# Altium PCB praxis_top_level_pcbdoc_v3.PcbDoc (part 4 of 4)
Units mm, origin at the board's own origin, x right, y up, seen from the top; angles counter-clockwise.
Board outline 152.4 x 79.5 mm, 4 copper layers (Top Layer, Int1 (GND), Int2 (PWR), Bottom Layer), stack 1.584 mm thick; 306 components, 267 nets, 1032 pads, 529 vias.
Unrouted connection lines stored in the file: 1.
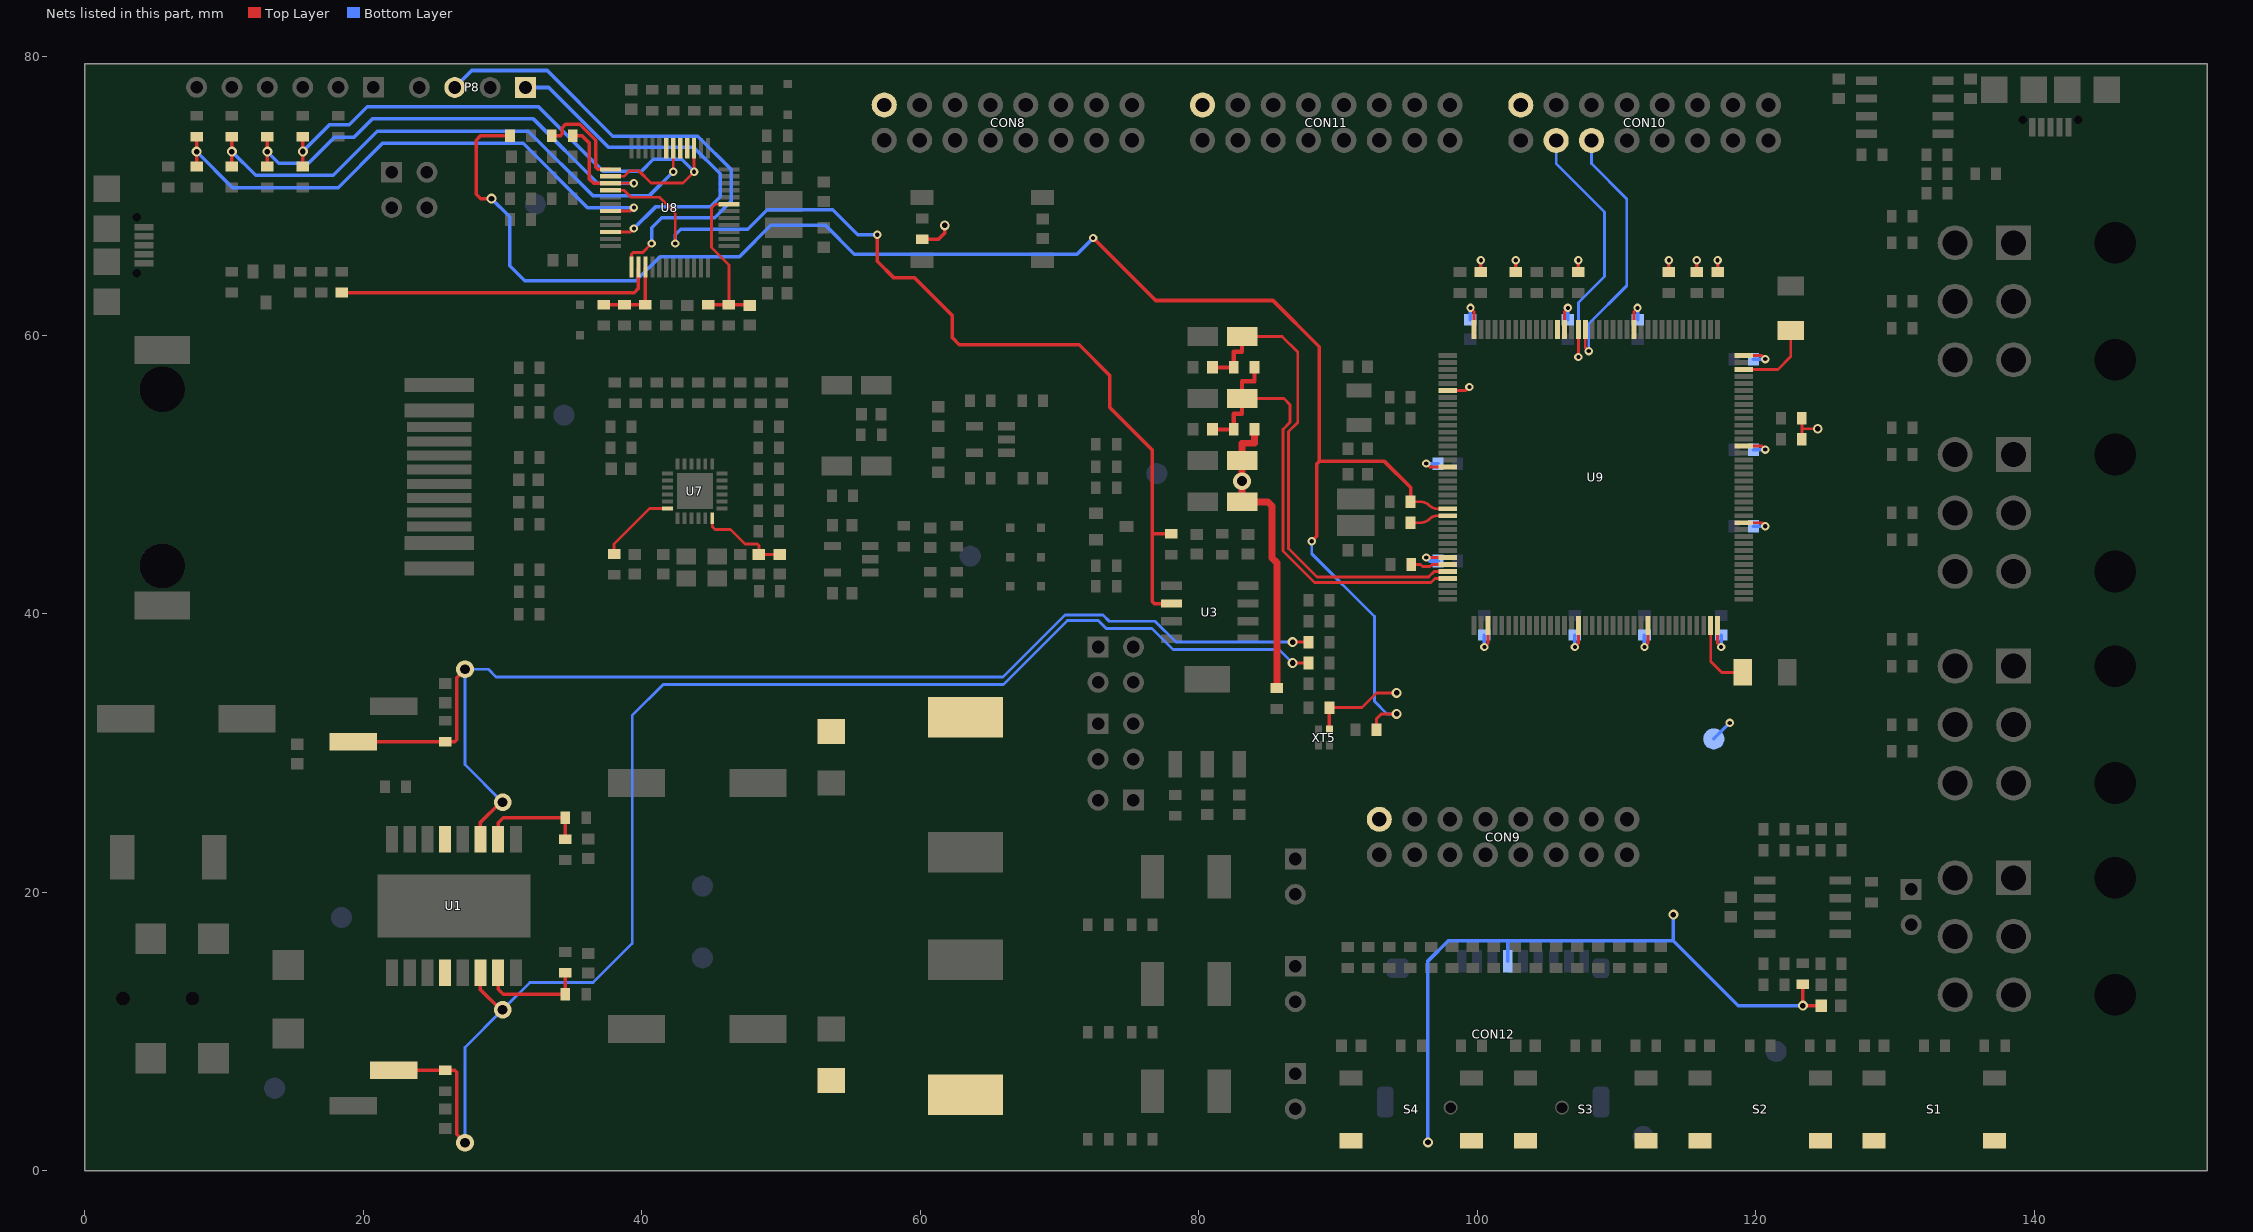
[diagram p6: the nets of this part, all layers, seen from the top]

## Via types
v1: diameter 0.711, hole 0.4, Top Layer to Bottom Layer, 169 vias
v2: diameter 0.6, hole 0.3, Top Layer to Bottom Layer, 83 vias
v3: diameter 1.27, hole 0.711, Top Layer to Bottom Layer, 68 vias
v4: diameter 0.6, hole 0.3, Top Layer to Bottom Layer, tented both sides, 50 vias
v5: diameter 1.27, hole 0.711, Top Layer to Bottom Layer, tented top, 43 vias
v6: diameter 0.9, hole 0.45, Top Layer to Bottom Layer, 39 vias
v7: diameter 0.4, hole 0.3, Top Layer to Bottom Layer, 32 vias
v8: diameter 0.6, hole 0.3, Top Layer to Bottom Layer, tented top, 17 vias
v9: diameter 0.711, hole 0.4, Top Layer to Bottom Layer, tented top, 8 vias
v10: diameter 0.711, hole 0.4, Top Layer to Bottom Layer, tented both sides, 6 vias
v11: diameter 0.5, hole 0.2, Top Layer to Bottom Layer, tented both sides, 4 vias
v12: diameter 0.5, hole 0.2, Top Layer to Bottom Layer, 4 vias
v13: diameter 5, hole 3, Top Layer to Bottom Layer, 4 vias
v14: diameter 0.711, hole 0.4, Top Layer to Bottom Layer, tented bottom, 1 vias
v15: diameter 0.9, hole 0.45, Top Layer to Bottom Layer, tented both sides, 1 vias

## Nets (pads, with @x,y where several pads share a name; then routed paths per layer and width w, separated by ;. In a path a pad name is that pad's centre, name@x,y a point inside that pad or via, vN(x,y) a via of type N, cw(c..) or ccw(c..) an arc to the next point about the centre after c; other vN are vias at no path point) (continued)
Port_G13: CON10.11 U9.128 | length 19
  Top Layer w0.2: U9.128@107.75,60.4 107.75,59.1 v4(108,58.85)
  Bottom Layer w0.2: v4(108,58.85) 108,60.819 110.725,63.544 110.725,69.778 108.195,72.308 CON10.11@108.195,73.975
Port_G14: CON10.10 U9.129 | length 19.7
  Top Layer w0.2: v4(107.25,58.425) U9.129@107.25,60.4
  Bottom Layer w0.2: CON10.10@105.655,73.975 105.655,72.308 109.125,68.838 109.125,64.206 107.25,62.331 v4(107.25,58.425)
Port_G15: U9.132
Port_H0: J22.2 J37.2 R88.2 U9.23 | length 120.9
  Top Layer w0.2: R88.2@92.75,31.65 92.75,32.45 93.092,32.792 v1(94.2,32.792) ; J37.2@95.2,48.025 95.911,48.025 cw(c95.911,47.086) 96.575,47.75 ccw(c97.118,48.293) 97.118,47.525 U9.23@97.875,47.525
  Top Layer w0.254: v1(29.199,69.8) 28.425,69.8 28.1,70.125 28.1,74 28.4,74.3 J22.2@30.528,74.3 ; v2(72.4,66.975) 76.892,62.482 85.318,62.482 88.65,59.15 88.65,50.925 ; v2(88.1,45.194) 88.47,45.565 88.47,50.745 88.65,50.925 ; J37.2@95.2,48.025 95.2,49.05 93.325,50.925 88.65,50.925
  Bottom Layer w0.2: v2(88.1,45.194) 88.1,44.3 92.6,39.8 92.6,33.7 93.508,32.792 v1(94.2,32.792)
  Bottom Layer w0.254: v1(29.199,69.8) 30.5,68.499 30.5,64.979 31.585,63.894 39.569,63.894 41.304,65.629 47.004,65.629 49.254,67.879 53.189,67.879 55.252,65.816 71.241,65.816 v2(72.4,66.975)
Port_H1: J39.2 U9.24 | length 2.8
  Top Layer w0.2: J39.2@95.2,46.525 95.911,46.525 ccw(c95.911,47.464) 96.575,46.8 cw(c97.118,46.257) 97.118,47.025 U9.24@97.875,47.025
PWR_ENn: R7.2 U3.2 U8.28 | length 67.4
  Top Layer w0.2: U8.28@37.733,70.4 38.725,70.4 39.225,69.9 41.25,69.9 42.4,68.75 v8(42.4,66.576)
  Top Layer w0.254: v2(56.9,67.2) 56.9,65.3 58.1,64.1 59.6,64.1 62.3,61.4 62.3,59.8 62.8,59.3 71.4,59.3 73.6,57.1 73.6,54.8 76.65,51.75 76.65,45.723 ; U3.2@78.019,40.72 76.799,40.72 76.65,40.869 76.65,45.723 ; R7.2@78.019,45.723 76.65,45.723
  Bottom Layer w0.254: v8(42.4,66.576) 42.4,67.2 42.8,67.6 47.6,67.6 49,69 53.7,69 55.5,67.2 v2(56.9,67.2)
PWR_EXT: J15.1 R56.1 R58.2 U8.39 | length 5.7
  Top Layer w0.254: R56.1@37.25,62.183 R58.2@38.75,62.183 J15.1@40.25,62.183 U8.39@40.25,64.883
RBIAS: R46.2 U7.24 | length 5.6
  Top Layer w0.2: R46.2@38,44.283 38,45 40.55,47.55 U7.24@41.85,47.55
SS1: J3.1 J28.1 R5.2 U1.6 | length 104.3
  Top Layer w0.2: v1(86.733,36.45) J28.1@87.875,36.45
  Top Layer w0.254: J3.1@22.182,7.2 R5.2@25.865,7.2 26.551,7.2 26.7,7.051 26.7,2.6 v3(27.3,2) ; U1.6@28.405,14.2 28.405,12.995 29.85,11.55 v3(30,11.55)
  Bottom Layer w0.2: v3(27.3,2) 27.3,8.85 v3(30,11.55) 31.95,13.5 36.5,13.5 39.3,16.3 39.3,32.675 41.528,34.903 65.953,34.903 70.55,39.5 72.771,39.5 73.346,38.925 76.633,38.925 78.133,37.425 85.758,37.425 v1(86.733,36.45)
SS2: J4.1 J29.1 R6.2 U1.11 | length 90.3
  Top Layer w0.2: v1(86.733,37.95) J29.1@87.875,37.95
  Top Layer w0.254: J4.1@19.262,30.8 R6.2@25.865,30.8 26.551,30.8 26.7,30.949 26.7,35.4 v3(27.3,36) ; U1.11@28.405,23.8 28.405,25.005 29.85,26.45 v3(30,26.45)
  Bottom Layer w0.2: v3(30,26.45) 27.3,29.15 v3(27.3,36) 28.975,36 29.525,35.45 65.934,35.45 70.384,39.9 73.114,39.9 73.564,39.45 76.85,39.45 78.35,37.95 v1(86.733,37.95)
STM_JTCK: P8.3 U8.37 | length 35.9
  Top Layer w0.2: U8.37@39.25,64.883 39.25,65.801 39.382,65.933 40.057,65.933 v8(40.7,66.576)
  Bottom Layer w0.254: P8.3@26.56,77.78 27.78,79 33.2,79 37.91,74.29 44.01,74.29 46.4,71.9 46.4,69.6 45.222,68.422 41.422,68.422 40.7,67.7 v8(40.7,66.576)
STM_JTMS: P8.1 U8.34 | length 27.1
  Top Layer w0.2: U8.34@37.733,67.4 39.175,67.4 v8(39.425,67.65)
  Bottom Layer w0.254: P8.1@31.64,77.78 33.32,77.78 37.6,73.5 43.7,73.5 45.622,71.578 45.622,69.922 44.9,69.2 40.975,69.2 v8(39.425,67.65)
STM_RST: C36.2 J19.2 R52.1 U8.7 | length 11.8
  Top Layer w0.2: J19.2@46.25,62.183 46.25,65.029 45,66.279 45,69.125 45.275,69.4 U8.7@46.267,69.4
  Top Layer w0.254: R52.1@44.75,62.183 J19.2@46.25,62.183 C36.2@47.75,62.183
SWout1: D1.2 L1.1 U1.4
SWout2: D2.2 L2.1 U1.13
T_JRST: U8.19
T_JTCK: J23.1 R72.1 U8.15 U8.26 | length 42.8
  Top Layer w0.2: U8.26@37.733,71.4 38.7,71.4 39.1,71.8 39.775,71.8 40.65,70.925 42.951,70.925 v8(43.75,71.724) U8.15@43.75,73.417
  Top Layer w0.254: J23.1@15.64,72.1 v1@15.64,73.183 ; R72.1@15.64,74.25 v1@15.64,73.183 ; v1(15.648,73.183) v1@15.64,73.183
  Bottom Layer w0.254: v1(15.648,73.183) 17.565,75.1 18.975,75.1 20.275,76.4 32.575,76.4 37.196,71.779 39.979,71.779 40.825,72.625 42.849,72.625 v8(43.75,71.724)
T_JTDI: U8.17
T_JTDO: U8.16
T_JTMS: J24.1 R66.1 R73.1 U8.27 | length 39.4
  Top Layer w0.2: U8.27@37.733,70.9 v8(39.426,70.9)
  Top Layer w0.254: J24.1@13.1,72.1 v1(13.1,73.175) R73.1@13.1,74.25 ; R66.1@35.025,74.3 35.725,74.3 36.229,73.796 36.229,71.206 36.535,70.9 U8.27@37.733,70.9
  Bottom Layer w0.254: v1(13.1,73.175) 13.925,72.35 16.058,72.35 17.929,74.221 19.339,74.221 20.639,75.521 32.211,75.521 36.832,70.9 v8(39.426,70.9)
T_NRST: J25.1 R74.1 U8.18 | length 40.2
  Top Layer w0.2: v8(42.25,71.724) U8.18@42.25,73.417
  Top Layer w0.254: J25.1@10.56,72.1 v1(10.56,73.175) R74.1@10.56,74.25
  Bottom Layer w0.254: v1(10.56,73.175) 12.264,71.471 17.832,71.471 21.003,74.642 31.847,74.642 36.468,70.021 40.547,70.021 v8(42.25,71.724)
T_SWDIO_IN: R66.2 U8.25 | length 7.3
  Top Layer w0.254: R66.2@33.525,74.3 34.126,74.3 34.275,74.449 34.275,74.889 34.517,75.131 35.536,75.131 36.683,73.984 36.683,72.049 36.832,71.9 U8.25@37.733,71.9
T_SWO: J26.1 R75.1 U8.31 | length 39.6
  Top Layer w0.2: U8.31@37.733,68.9 39.175,68.9 v8(39.425,69.15)
  Top Layer w0.254: J26.1@8.02,72.1 v1(8.02,73.175) R75.1@8.02,74.25
  Bottom Layer w0.254: v1(8.02,73.175) 10.603,70.592 18.196,70.592 21.367,73.763 31.483,73.763 36.096,69.15 v8(39.425,69.15)
USB_RENUMn: R64.2 U8.38 | length 22.9
  Top Layer w0.254: R64.2@18.46,63.05 39.45,63.05 39.75,63.35 U8.38@39.75,64.883
VCAP_1: C55.2 U9.71 | length 5.2
  Top Layer w0.2: U9.71@116.75,39.15 116.75,36.575 117.55,35.775 C55.2@119.05,35.775
VCAP_2: C56.2 U9.106 | length 5.6
  Top Layer w0.2: U9.106@119.125,57.525 121.575,57.525 122.5,58.45 C56.2@122.5,60.325
VDD: C22.2 C43.2 C44.2 C45.2 C46.2 C47.2 C48.2 C49.2 C50.2 C51.2 C52.2 C53.2 C54.2 C58.1 C59.1 CON8.8 CON9.8 CON10.8 CON11.8 CON12.4 J7.1 J33.2 L5.1 pad.2@116.975,31 R84.2 R86.2 R87.2 R91.2 R92.2 R93.2 R94.2 R95.2 R96.2 R106.2 S1.3 S1.4 S2.3 S2.4 S3.3 S3.4 S4.3 S4.4 U9.6 U9.17 U9.30 U9.39 U9.52 U9.62 U9.72 U9.84 U9.95 U9.108 U9.121 U9.131 U9.144 XT5.4 | length 120.6
  Top Layer w0.2: R84.2@89.375,33.25 91.7,33.25 92.75,34.3 v1(94.2,34.3) ; v2(96.325,44.025) U9.30@97.875,44.025 ; v2(96.325,50.775) 96.575,50.525 U9.17@97.875,50.525 ; U9.6@97.875,56.025 99.175,56.025 v4(99.425,56.275) ; v2(99.5,61.95) 99.75,61.7 U9.144@99.75,60.4 ; v2(100.5,37.6) 100.75,37.85 U9.39@100.75,39.15 ; U9.131@106.25,60.4 106.25,61.7 v2(106.5,61.95) ; v2(107,37.6) 107.25,37.85 U9.52@107.25,39.15 ; U9.121@111.25,60.4 111.25,61.7 v2(111.5,61.95) ; v2(112,37.6) 112.25,37.85 U9.62@112.25,39.15 ; U9.72@117.25,39.15 117.25,37.85 v2(117.5,37.6) ; U9.84@119.125,46.525 120.425,46.525 v2(120.675,46.275) ; U9.95@119.125,52.025 120.425,52.025 v2(120.675,51.775) ; U9.108@119.125,58.525 120.425,58.525 v2(120.675,58.275) ; R93.2@123.3,52.525 R92.2@123.3,54.025 ; 123.3,53.275 v1(124.442,53.275)
  Top Layer w0.254: R106.2@60.124,66.875 61.3,66.875 61.75,67.325 v9(61.75,67.875) ; XT5.4@89.375,31.65 R84.2@89.375,33.25 ; R86.2@100.25,64.525 v2(100.25,65.375) ; R87.2@102.75,64.525 v2(102.75,65.375) ; R91.2@107.25,64.525 v2(107.25,65.375) ; R94.2@113.75,64.525 v2(113.75,65.375) ; R95.2@115.75,64.525 v2(115.75,65.375) ; R96.2@117.25,64.525 v2(117.25,65.375) ; J7.1@123.375,13.38 v1(123.375,11.842) C22.2@124.696,11.842
  Top Layer w0.5: L5.1@84,53.225 84,52.231 83.1,52.231 C58.1@83.1,51 v5(83.1,49.512) C59.1@83.1,48.025 84.95,48.025 85.247,47.728 85.247,44.003 85.6,43.65 J33.2@85.6,34.65
  Bottom Layer w0.254: v2(96.325,44.025) 96.575,43.775 C44.2@97.175,43.775 ; v2(96.325,50.775) C43.2@97.175,50.775 ; v10(96.45,2.025) 96.45,15.05 97.9,16.5 102.175,16.5 114.075,16.5 ; C54.2@99.5,61.1 v2@99.5,61.946 ; v2(100.5,37.6) C45.2@100.5,38.45 ; CON12.4@102.175,15.025 102.175,16.488 ; C53.2@106.5,61.1 v2(106.5,61.95) ; v2(107,37.6) C46.2@107,38.45 ; C52.2@111.5,61.1 v2(111.5,61.95) ; v2(112,37.6) C47.2@112,38.45 ; v1(114.075,18.375) 114.075,16.5 ; pad.2@116.975,31 v2(118.125,32.15) ; v2(117.5,37.6) C48.2@117.5,38.45 ; C49.2@119.825,46.275 v2(120.675,46.275) ; C50.2@119.825,51.775 v2(120.675,51.775) ; C51.2@119.825,58.275 v2(120.675,58.275) ; v1(123.375,11.842) 123.37,11.837 118.738,11.837 114.075,16.5
VDDA: C60.1 C62.2 J34.1 L5.2 U9.33 | length 34.7
  Top Layer w0.2: C60.1@83.1,55.45 86.1,55.45 86.55,55 86.55,53.741 86.04,53.231 86.04,44.494 88.309,42.225 96.666,42.225 96.966,42.525 U9.33@97.875,42.525
  Top Layer w0.3: C62.2@80.975,53.225 L5.2@82.5,53.225 82.5,54.35 83.1,54.35 C60.1@83.1,55.45 83.1,56.681 84,56.681 J34.1@84,57.675
VDDCR: C30.2 C31.2 U7.6 | length 6.7
  Top Layer w0.2: U7.6@45.05,46.85 45.05,46.25 45.26,46.04 46.36,46.04 47.4,45 48.283,45 48.4,44.883 C31.2@48.4,44.233 C30.2@49.9,44.233
Vref1: R1.1 R3.2 U1.7 | length 7.7
  Top Layer w0.254: U1.7@29.675,14.2 29.675,13.02 30.034,12.661 R1.1@34.501,12.661 R3.2@34.501,14.2
Vref2: R2.1 R4.2 U1.10 | length 7.7
  Top Layer w0.254: U1.10@29.675,23.8 29.675,24.98 30.034,25.339 R2.1@34.501,25.339 R4.2@34.501,23.8
VREF+: C61.1 C63.2 J34.2 U9.32 | length 35.6
  Top Layer w0.2: C61.1@83.1,59.9 85.977,59.9 87.1,58.777 87.1,53.725 86.44,53.065 86.44,44.66 88.475,42.625 96.5,42.625 96.9,43.025 U9.32@97.875,43.025
  Top Layer w0.3: C63.2@80.975,57.675 J34.2@82.5,57.675 82.5,58.8 83.1,58.8 C61.1@83.1,59.9
VSSA: J35.2 U9.31 | length 2.8
  Top Layer w0.2: J35.2@95.25,43.525 95.9,43.525 96.054,43.371 96.6,43.371 96.754,43.525 U9.31@97.875,43.525
pads on no net: CON1.NC CON2. CON3. CON4. CON5. CON6.9 CON6.15 CON6.16 CON7. CON12.NC CON13. U1.8 U1.16 U3.4 U8.4 U8.11 U8.14 U8.22 U8.40 U8.41 U8.42 U8.43 U8.45 U8.46 U10.4

## Polygon pours and split planes (outlines as drawn)
GND on Top Layer "Top Layer-GND 5" (solid, pour order 333): 34.591,40.548 34.603,41.993 34.303,42.293 33.503,42.293 33.203,41.993 32.519,41.993 32.519,39.518 33.203,39.518 33.561,39.518
GND on Top Layer "Top Layer-GND 4" (solid, pour order 326): 136.799,15.149 139.599,15.149 140.475,16.025 140.475,23.027 139.653,23.85 130,23.85 127.625,26.225 120.278,26.225 115.6,21.547 115.6,16.228 121.078,10.75 131.6,10.75 132.351,10 135.1,10 136,10.9 136,14.35
GND on Top Layer "GND_L01_P308" (solid, pour order 308): 139.653,39.05 140.475,38.227 140.475,31.225 139.599,30.349 136.799,30.349 135.975,29.525 135.975,26.075 135.1,25.2 132.35,25.2 128.359,29.191 128.359,38.359 129.05,39.05
+3V3_MCP1825 on Top Layer "Top Layer-+3V3_MCP1825" (solid, pour order 339): 55.72,55.025 56.768,55.025 56.768,53.875 58.15,53.875 58.615,54.34 58.615,57.385 58.2,57.8 57.32,57.8 ccw(c56.82,57.8) 57.32,57.8 ccw(c56.82,57.8) 56.82,58.3 ccw(c56.82,57.8) 56.32,57.8 ccw(c56.82,57.8) 56.32,57.8 55.72,57.8
VDDA on Top Layer "VDDA_L01_P338" (solid, pour order 338): 82,53.929 82,58.125 85.725,58.125 85.725,53.929
VREF+ on Top Layer "VREF+_L01_P337" (solid, pour order 337): 82,61.4 82,58.379 85.725,58.379 85.725,60.622 84.947,61.4
GND on Top Layer "GND_L01_P298" (solid, pour order 298): 81.38,61.4 81.38,46.525 78.433,46.525 77.65,47.308 77.65,60.617 78.433,61.4
VDD on Top Layer "VDD_L01_P336" (solid, pour order 336): 82,46.525 82,53.675 85.725,53.675 85.725,46.75 85.5,46.525
GND on Top Layer "Top Layer-GND 8" (solid, pour order 334): 51.9,50.7 51.9,49.692 52.392,49.2 55.1,49.2 55.1,57.8 52.375,57.8 51.9,57.325 51.9,53.7 50.516,52.316 50.516,51.534 50.925,51.125 51.475,51.125
GND on Top Layer "Top Layer-GND 3" (solid, pour order 330): 63.989,40.83 68.73,40.83 69.1,41.2 69.1,48.1 70.6,49.6 70.6,56.125 70.025,56.7 60.5,56.7 58.9,55.1 58.9,51.543 58.9,49.1 57.5,47.7 52.58,47.7 51.95,47.07 51.95,43.9 51.95,40.73 52.58,40.1 63.26,40.1
CT on Top Layer "NONET_L-01_P-001" (solid, pour order 335): 55.72,48 57.275,48 58.615,49.34 58.615,52.81 58.15,53.275 56.768,53.275 56.768,52.125 55.72,52.125
GND on Top Layer "GND_L01_P310" (solid, pour order 310): 139.653,69.45 140.475,68.628 140.475,61.625 139.599,60.749 136.799,60.749 135.975,59.925 135.975,56.475 135.1,55.6 132.35,55.6 128.359,59.591 128.359,68.759 129.05,69.45
GND on Top Layer "Top Layer-GND 6" (solid, pour order 332): 32.422,47.559 33.204,47.56 33.503,47.261 34.303,47.261 34.65,47.608 34.65,48.802 34.65,49.997 34.303,50.344 33.503,50.344 33.213,50.054 32.422,50.054
GND on Top Layer "Top Layer-GND 7" (solid, pour order 331): 32.519,55.607 33.203,55.607 33.503,55.307 34.303,55.307 34.65,55.654 34.65,57 33.561,58.082 33.203,58.082 32.519,58.082
+5V_USB_STLINK on Top Layer "NONET_L-01_P-001" (solid, pour order 329): 84.6,42.7 84.8,42.5 84.8,37.7 84.6,37.5 81.4,37.5 80.4,38.5 80.4,41.7 81.4,42.7
GND on Top Layer "Top Layer-GND" (solid, pour order 299): 80.646,26.971 81.5,27.825 81.5,30.7 82.25,31.45 83.65,31.45 84.2,32 84.2,36.9 83.9,37.2 77.3,37.2 77,36.9 77,32 77.55,31.45 78.95,31.45 79.7,30.7 79.7,27.825 80.554,26.971
GND on Top Layer "NONET_L-01_P-001" (solid, pour order 328): 31.25,16 32,16.75 32,21.25 31.25,22
+12V_FUSE on Top Layer "+12V_FUSE_L01_P283" (solid, pour order 283): 138.5,14.724 ccw(c138.5,12.624) 136.4,12.624 ccw(c138.5,12.624) 138.5,10.524 142.8,10.524 cw(c142.8,8.593) 144.166,9.958 144.3,9.824 ccw(c145.507,11.031) 145.507,9.324 151.6,9.324 151.6,16.024 145.752,16.024 ccw(c145.748,13.976) 144.3,15.424 144.166,15.29 cw(c142.8,16.655) 142.8,14.724
GND on Top Layer "Top Layer-GND 1" (solid, pour order 325): 152.4,7.1 147.839,7.1 146,5.261 146,-0.03 152.4,-0.03
GND on Top Layer "Top Layer-GND 1" (solid, pour order 324): 152.401,72.4 147.84,72.4 146,74.239 146,79.529 152.401,79.529
GND on Top Layer "Top Layer-GND 1" (solid, pour order 321): 0,60.5 3.63,60.5 3.63,61.6 5.29,63.26 5.29,64.64 3.19,64.64 2.9,64.93 2.9,68.08 3.08,68.26 5.29,68.26 5.29,69.64 3.63,71.3 3.63,72.4 6.2,74.97 6.2,79.53 0,79.53 0,71.3
GND on Top Layer "GND_L01_P292" (solid, pour order 292): 146,79.529 146,74.239 142.96,74.239 142.96,76.449 142.78,76.629 139.63,76.629 139.34,76.339 139.34,74.239 137.96,74.239 136.3,75.899 136.3,79.529
+5V_SPI on Top Layer "+5V_SPI_L01_P297" (solid, pour order 297): 67.875,19.25 69.125,20.5 69.125,26.6 67.875,27.85 58.8,27.85 54.85,23.9 45.5,23.9 43.1,26.3 43.1,30.8 41.5,32.4 33.5,32.4 30.2,29.1 30.2,27.6 31.35,26.45 34.775,26.45 35.225,26 35.225,23.671 36.85,23.671 38.9,21.621 38.9,19.996 39.646,19.25
+3V3_SPI on Top Layer "+3V3_SPI_L01_P293" (solid, pour order 293): 67.875,18.75 69.125,17.5 69.125,11.4 67.875,10.15 58.8,10.15 54.85,14.1 45.5,14.1 43.1,11.7 43.1,7.2 41.5,5.6 33.5,5.6 30.2,8.9 30.2,10.4 31.35,11.55 34.775,11.55 35.225,12 35.225,14.329 36.85,14.329 38.9,16.379 38.9,18.004 39.646,18.75
GND on Top Layer "Top Layer-GND 2" (solid, pour order 320): 71.229,0 72.35,1.121 72.35,23.01 71.229,24.131 71.229,38.446 70.65,39.025 0,39.025 0,37.425 8.6,37.425 8.6,31 9.4,30.2 16.525,30.2 18.225,28.5 25.4,28.5 26.315,29.415 26.315,36.265 27.475,37.425 67.955,37.425 69.629,35.75 69.629,2.25 67.955,0.575 27.475,0.575 26.315,1.735 26.315,8.585 25.4,9.5 19.115,9.5 16.8,11.815 0,11.815 0,0 26.05,0 69.725,0
+5V_SPI on Top Layer "+5V_SPI_L01_P281" (solid, pour order 281): 73.425,23.81 72.625,23.01 72.625,19.2 73.425,18.4 77.55,18.4 78.35,19.2 78.35,23.01 77.55,23.81
+12V_FUSE on Top Layer "Top Layer-+12V_FUSE" (solid, pour order 305): 84.044,2.99 87.489,2.99 88.289,3.79 88.289,4.425 88.289,5.06 87.489,5.86 85.815,5.86 85.495,6.18 85.495,7.6 84.695,8.4 80.57,8.4 79.77,7.6 79.77,3.79 80.57,2.99
+3V3_SPI_FUSE on Top Layer "Top Layer-+3V3_SPI_FUSE" (solid, pour order 306): 84.044,10.695 87.489,10.695 88.289,11.495 88.289,12.13 88.289,12.765 87.489,13.565 85.815,13.565 85.495,13.885 85.495,15.305 84.695,16.105 80.57,16.105 79.77,15.305 79.77,11.495 80.57,10.695
+5V_SPI_FUSE on Top Layer "Top Layer-+5V_SPI_FUSE" (solid, pour order 307): 84.044,18.4 87.489,18.4 88.289,19.2 88.289,19.835 88.289,20.47 87.489,21.27 85.815,21.27 85.495,21.59 85.495,23.01 84.695,23.81 80.57,23.81 79.77,23.01 79.77,19.2 80.57,18.4
+3V3_SPI on Top Layer "+3V3_SPI_L01_P282" (solid, pour order 282): 73.425,16.105 72.625,15.305 72.625,11.495 73.425,10.695 77.55,10.695 78.35,11.495 78.35,15.305 77.55,16.105
+12V on Top Layer "+12V_L01_P280" (solid, pour order 280): 73.425,8.4 72.625,7.6 72.625,3.79 73.425,2.99 77.55,2.99 78.35,3.79 78.35,7.6 77.55,8.4
GND on Top Layer "GND_L01_P309" (solid, pour order 309): 139.653,54.25 140.475,53.427 140.475,46.425 139.599,45.549 136.799,45.549 135.975,44.725 135.975,41.275 135.1,40.4 132.35,40.4 128.359,44.391 128.359,53.559 129.05,54.25
+12V on Top Layer "Top Layer-+12V" (solid, pour order 319): 0,31.19 0,19.49 4.39,19.49 5.7,20.8 5.7,24 5.017,24.683 5.017,31.19 5.24,31.19 5.24,28.96 8,26.2 10.444,26.2 12.5,24.144 12.5,21.1 17.3,16.3 17.3,12.1 19.4,10 19.85,10 24.9,10 25,10.1 25,12.941 21.059,12.941 20,14 20,24 21.059,25.059 24.084,25.059 24.2,25.175 24.2,26.475 23.829,26.846 21.9,26.846 21.9,28 17.95,28 16.25,29.7 9.3,29.7 8.1,30.9 8.1,35.9 7,37 0,37 0,31.19
CT on Top Layer "CT_L01_P287" (solid, pour order 287): 31.158,51.508 30.267,51.509 29.353,50.594 29.353,50.119 29.578,49.894 31.103,49.894 31.158,49.949
GND on Top Layer "GND_L01_P318" (solid, pour order 318): 139.108,7.773 139.851,7.773 139.851,9.268 139.445,9.675 139.108,9.675
GND on Top Layer "GND_L01_P317" (solid, pour order 317): 139.108,7.773 138.365,7.773 138.365,9.318 138.722,9.675 139.108,9.675
GND on Top Layer "GND_L01_P316" (solid, pour order 316): 126.585,7.773 127.328,7.773 127.328,9.268 126.921,9.675 126.585,9.675
GND on Top Layer "GND_L01_P315" (solid, pour order 315): 126.585,7.773 125.842,7.773 125.842,9.318 126.199,9.675 126.585,9.675
GND on Top Layer "GND_L01_P314" (solid, pour order 314): 114.062,7.773 114.805,7.773 114.805,9.268 114.398,9.675 114.062,9.675
GND on Top Layer "GND_L01_P313" (solid, pour order 313): 114.062,7.773 113.319,7.773 113.319,9.318 113.675,9.675 114.062,9.675
GND on Top Layer "GND_L01_P311" (solid, pour order 311): 101.539,7.773 100.795,7.773 100.795,9.318 101.152,9.675 101.539,9.675
GND on Top Layer "GND_L01_P303" (solid, pour order 303): 89.015,7.773 89.759,7.773 89.759,9.268 89.352,9.675 89.015,9.675
GND on Top Layer "GND_L01_P302" (solid, pour order 302): 88.272,8.004 88.272,6.607 89.574,5.305 138.574,5.305 139.851,6.583 139.851,8.004
GND on Top Layer "GND_L01_P312" (solid, pour order 312): 101.539,7.773 102.282,7.773 102.282,9.268 101.875,9.675 101.539,9.675
GND on Top Layer "GND_L01_P279" (solid, pour order 279): 32,19 32,16.75 33.278,15.472 37.272,15.472 38.4,16.6 38.4,19
GND on Top Layer "GND_L01_P278" (solid, pour order 278): 32,19 32,21.25 33.278,22.528 37.272,22.528 38.4,21.4 38.4,19
CT on Top Layer "CT_L01_P288" (solid, pour order 288): 31.158,46.106 30.267,46.105 29.353,47.02 29.353,47.495 29.578,47.72 31.103,47.72 31.158,47.665
GND on Top Layer "GND_L01_P296" (solid, pour order 296): 0,60.5 8,60.5 8.75,59.75 8.75,56.014 5.547,52.811 5.547,46.709 8.75,43.506 8.75,39.025 0,39.025
+12V_FUSE on Top Layer "+12V_FUSE_L01_P284" (solid, pour order 284): 138.5,29.924 ccw(c138.5,27.824) 136.4,27.824 ccw(c138.5,27.824) 138.5,25.724 142.8,25.724 cw(c142.8,23.793) 144.166,25.158 144.3,25.024 ccw(c145.507,26.231) 145.507,24.524 151.6,24.524 151.6,31.224 145.752,31.224 ccw(c145.748,29.176) 144.3,30.624 144.166,30.49 cw(c142.8,31.855) 142.8,29.924
+3V3_MCP1825 on Top Layer "+3V3_MCP1825_L01_P295" (solid, pour order 295): 86.1,26.575 86.925,27.4 86.925,30.275 86.25,30.95 82.45,30.95 82,30.5 82,27.975 83.4,26.575
SWout1 on Top Layer "SWOUT1_L01_P294" (solid, pour order 294): 25.46,12.6 25.46,10.14 27.2,8.4 27.2,4.55 30.75,1 67.875,1 69.125,2.25 69.125,8.175 67.875,9.2 58.7,9.2 57.6,8.1 52.2,8.1 51.2,7.1 51.2,6.1 50.2,5.1 33.2,5.1 29.7,8.6 29.7,10.4 27.5,12.6
SWout2 on Top Layer "SWOUT2_L01_P276" (solid, pour order 276): 25.865,23.8 25.515,23.8 25.515,25.004 25.46,25.059 25.46,25.4 27.5,25.4 27.5,25.213 27.5,25.19 27.369,25.059 26.424,25.059 26.215,24.85 26.215,23.8
SWout2 on Top Layer "SWOUT2_L01_P275" (solid, pour order 275): 25.46,25.4 25.46,27.86 27.2,29.6 27.2,33.45 30.75,37 67.875,37 69.125,35.75 69.125,29.825 67.875,28.8 58.7,28.8 57.6,29.9 52.2,29.9 51.2,30.9 51.2,31.9 50.2,32.9 33.2,32.9 29.7,29.4 29.7,27.6 27.5,25.4
GND on Top Layer "GND_L01_P274" (solid, pour order 274): 45.864,24.9 54.3,24.9 55.724,26.324 55.724,28.676 55.06,29.34 52.06,29.34 50.7,30.7 50.7,31.7 50,32.4 45.7,32.4 44.1,30.8 44.1,26.664
SWout1 on Top Layer "SWOUT1_L01_P273" (solid, pour order 273): 25.865,14.2 25.515,14.2 25.515,12.996 25.46,12.941 25.46,12.6 27.5,12.6 27.5,12.787 27.5,12.81 27.369,12.941 26.424,12.941 26.215,13.15 26.215,14.2
+12V on Top Layer "+12V_L01_P272" (solid, pour order 272): 22.975,23.8 23.675,23.8 23.675,24.85 23.884,25.059 24,25.059 24,25.4 22.6,25.4 22.6,25.059 22.766,25.059 22.975,24.85
GND on Top Layer "GND_L01_P271" (solid, pour order 271): 45.864,13.1 54.3,13.1 55.724,11.676 55.724,9.324 55.06,8.66 52.06,8.66 50.7,7.3 50.7,6.3 50,5.6 45.7,5.6 44.1,7.2 44.1,11.336
+12V on Top Layer "+12V_L01_P270" (solid, pour order 270): 24.245,14.2 24.945,14.2 24.945,12.996 25,12.941 25,12.6 23.87,12.6 23.87,12.941 24.036,12.941 24.245,13.15
+12V on Top Layer "+12V_L01_P269" (solid, pour order 269): 22.975,14.2 23.675,14.2 23.675,13.15 23.884,12.941 24,12.941 24,12.6 22.6,12.6 22.6,12.941 22.766,12.941 22.975,13.15
+12V_JACK on Top Layer "+12V_JACK_L01_P268" (solid, pour order 268): 0,12.9 16.8,12.9 16.8,16.1 12,20.9 12,24 10.3,25.7 8,25.7 6.3,24 6.3,20.6 4.7,19 0,19
VDD on Top Layer "VDD_L01_P300" (solid, pour order 300): 139.851,0 139.851,2.149 138.5,3.5 89.5,3.5 88.272,2.272 88.272,0
GND on Top Layer "GND_L01_P304" (solid, pour order 304): 89.015,7.773 88.272,7.773 88.272,9.268 88.679,9.675 89.015,9.675
+12V_FUSE on Top Layer "+12V_FUSE_L01_P286" (solid, pour order 286): 138.5,60.324 ccw(c138.5,58.224) 136.4,58.224 ccw(c138.5,58.224) 138.5,56.124 142.8,56.124 cw(c142.8,54.193) 144.166,55.558 144.3,55.424 ccw(c145.507,56.631) 145.507,54.924 151.6,54.924 151.6,61.624 145.752,61.624 ccw(c145.748,59.576) 144.3,61.024 144.166,60.89 cw(c142.8,62.255) 142.8,60.324
no net on Top Layer "NONET_L01_P277" (solid, pour order 277): 36.152,23.1 36.702,23.1
CT on Top Layer "CT_L01_P289" (solid, pour order 289): 29.353,49.032 29.353,48.582 29.578,48.357 31.103,48.357 31.103,49.257 29.578,49.257
+12V_FUSE on Top Layer "+12V_FUSE_L01_P285" (solid, pour order 285): 138.5,45.124 ccw(c138.5,43.024) 136.4,43.024 ccw(c138.5,43.024) 138.5,40.924 142.8,40.924 cw(c142.8,38.993) 144.166,40.358 144.3,40.224 ccw(c145.507,41.431) 145.507,39.724 151.6,39.724 151.6,46.424 145.752,46.424 ccw(c145.748,44.376) 144.3,45.824 144.166,45.69 cw(c142.8,47.055) 142.8,45.124
GND on Top Layer "GND_L01_P291" (solid, pour order 291): 21,16.75 21.75,16 31.25,16 31.25,19 21,19
GND on Top Layer "GND_L01_P290" (solid, pour order 290): 21,21.25 21.75,22 31.25,22 31.25,19 21,19
GND on Bottom Layer "Bottom Layer-GND 1" (solid, pour order 327): 136.4,14.75 136.4,22.549 135.1,23.85 130,23.85 127.625,26.225 120.278,26.225 115.6,21.547 115.6,16.228 121.078,10.75 131.6,10.75 132.351,10 135.1,10 136.4,11.3
GND on Bottom Layer "Bottom Layer-GND" (solid, pour order 322): 34.648,47.885 ccw(c35.26,47.885) 34.827,47.452 36.324,45.955 36.321,45.955 ccw(c36.754,46.388) 36.754,45.776 ccw(c36.754,46.388) 37.187,45.955 38.786,47.555 38.785,47.556 ccw(c38.351,47.988) 38.963,47.988 ccw(c38.351,47.988) 38.784,48.421 37.287,49.917 37.29,49.917 ccw(c36.857,49.485) 36.857,50.097 ccw(c36.857,49.485) 36.424,49.917 34.824,48.318 34.826,48.317 ccw(c35.26,47.885)
GND on Bottom Layer "GND_L04_P301" (solid, pour order 301): 8.75,39.025 70.65,39.025 71.199,38.475 71.199,24.161 72.35,23.01 72.35,1.121 71.229,0 0,0 0,39.025
GND on Bottom Layer "NONET_L-01_P-001" (solid, pour order 323): 44.7,50.2 cw(c44.7,49.7) 45.2,49.7 45.2,47.9 cw(c44.7,47.9) 44.7,47.4 42.9,47.4 cw(c42.9,47.9) 42.4,47.9 42.4,49.7 cw(c42.9,49.7) 42.9,50.2
+3V3_SPI on Int2 (PWR) (split plane): 78.773,9.8 60.547,9.8 60.482,9.791 60.421,9.766 60.369,9.726 55.996,5.352 32.504,5.352 28.093,9.763 28.093,13.391 28.093,17 78.773,17
+12V on Int2 (PWR) (split plane): 27.589,29.441 27.589,18.8 27.589,17.252 27.589,13.391 27.589,9.659 27.598,9.594 27.623,9.533 27.663,9.481 32.222,4.922 32.274,4.882 32.335,4.856 32.4,4.848 56.1,4.848 56.165,4.856 56.226,4.882 56.278,4.922 60.652,9.295 78.773,9.295 78.773,0.102 0.102,0.102 0.102,37.972 27.589,37.972
GND on Int2 (PWR) (split plane): 27.598,58.675 27.598,38.477 0.102,38.477 0.102,60.072 27.598,60.072
+5V_SPI on Int2 (PWR) (split plane): 70.177,33.861 70.177,24.957 70.186,24.892 70.211,24.831 70.251,24.779 70.303,24.739 70.364,24.714 70.429,24.705 75.623,24.705 78.773,21.556 78.773,17.505 28.093,17.505 28.093,18.8 28.093,29.441 28.093,37.972 66.066,37.972
+3V3_STLINK on Int2 (PWR) (split plane): 55.448,65.375 55.456,65.31 55.482,65.249 55.522,65.197 57.765,62.953 59.084,61.635 59.084,59.502 48.5,59.502 48.435,59.494 48.374,59.468 48.322,59.428 47.821,58.927 38.05,58.927 28.102,58.927 28.102,60.324 28.094,60.389 28.068,60.45 28.028,60.502 27.976,60.542 27.915,60.567 27.85,60.576 0.102,60.576 0.102,79.398 55.448,79.398
+5V_SPI_FUSE on Int2 (PWR) (split plane): 359 vertices, not listed, extent 57.905,10.07 141.649,79.398
+12V_FUSE on Int2 (PWR) (split plane): 152.298,0.102 79.277,0.102 79.277,9.295 88.398,9.295 93.248,4.446 93.3,4.406 93.361,4.38 93.426,4.372 106.075,4.372 144.53,4.372 144.7,4.381 144.869,4.41 145.033,4.457 145.191,4.522 145.34,4.605 145.479,4.704 145.606,4.818 145.72,4.945 145.819,5.084 145.902,5.233 145.967,5.391 146.014,5.555 146.043,5.724 146.052,5.894 146.052,9.424 146.052,79.398 152.298,79.398
+3V3_SPI_FUSE on Int2 (PWR) (split plane): 309 vertices, not listed, extent 79.277,4.875 145.549,79.398
CT on Int2 (PWR) (split plane): 37.798,57.45 37.806,57.385 37.832,57.324 37.872,57.272 38.422,56.722 41.248,53.896 41.248,46.725 41.256,46.66 41.282,46.599 41.322,46.547 42.749,45.12 42.771,45.102 42.801,45.08 42.862,45.055 42.927,45.046 50.58,45.046 50.645,45.055 50.706,45.08 50.758,45.12 55.311,49.673 58.071,49.673 58.071,47.581 58.071,44.002 57.475,43.406 57.435,43.354 57.409,43.293 57.401,43.228 57.401,38.477 28.102,38.477 28.102,58.423 37.798,58.423
+3V3_MCP1825 on Int2 (PWR) (split plane): 81.547,48.946 83.828,46.665 89.025,41.469 89.025,26.612 85.645,26.612 84.677,27.579 84.677,39.675 84.669,39.74 84.643,39.801 84.621,39.831 84.603,39.853 74.353,50.103 74.301,50.143 74.24,50.169 74.175,50.177 55.207,50.177 55.142,50.169 55.081,50.143 55.051,50.121 55.029,50.103 50.475,45.55 43.031,45.55 41.752,46.829 41.752,54 41.744,54.065 41.718,54.126 41.678,54.178 38.778,57.078 38.302,57.554 38.302,58.423 47.925,58.423 47.99,58.431 48.051,58.457 48.103,58.497 48.604,58.998 71.496,58.998
VDD on Int2 (PWR) (split plane): 123.198,71.483 123.206,71.418 123.232,71.357 123.272,71.305 126.153,68.424 126.153,57.511 126.153,32.809 118.197,24.853 115.172,21.828 115.132,21.776 115.106,21.715 115.098,21.65 115.098,18.179 114.446,17.527 113.679,17.527 113.052,18.154 113.052,21.425 113.044,21.49 113.018,21.551 112.978,21.603 111.719,22.863 111.666,22.903 111.605,22.928 111.54,22.937 93.045,22.937 89.529,26.453 89.529,41.573 89.52,41.638 89.495,41.699 89.455,41.751 84.185,47.022 81.904,49.303 71.778,59.428 71.726,59.468 71.665,59.494 71.6,59.502 59.588,59.502 59.588,61.739 59.579,61.804 59.554,61.865 59.514,61.917 58.122,63.31 55.952,65.479 55.952,79.398 123.198,79.398
GND on Int1 (GND) (split plane): 152.298,0.102 0.102,0.102 0.102,79.398 152.298,79.398

## Other copper
Top Layer:
  pour cut-out: 116.612,21.378 121.675,21.378 121.675,16.46 116.612,16.46 116.612,18.896 ccw(c116.612,19.535) 117.251,19.554 ccw(c116.61,19.57) 116.612,20.211
  pour cut-out: 79.975,53.929 83.104,53.929 83.104,52.521 79.975,52.521
  pour cut-out: 55.1,52.121 55.1,55.029 57.168,55.029 57.168,52.121
  pour cut-out: 129.143,69.252 129.143,65.92 130.351,65.92 130.351,69.252
  pour cut-out: 41.075,41.237 41.075,45.298 47.525,45.298 47.525,41.237
  pour cut-out: 53.7,65.4 48.4,65.4 48.4,71.9 53.7,71.9
  pour cut-out: 63.7,45.851 63.7,46.904
  pour cut-out: 58.793,47.7 61.9,47.7
  pour cut-out: 57.212,45.404 63.304,45.404 63.304,42.396 57.212,42.396
  pour cut-out: 119.942,12.633 126.75,12.633 126.75,15.554 119.943,15.554
  pour cut-out: 126.75,12.633 124.042,12.633 124.043,11.133 126.75,11.133
  pour cut-out: 129.143,38.852 129.143,35.52 130.351,35.52 130.351,38.852
  pour cut-out: 129.143,32.728 129.143,29.396 130.351,29.396 130.351,32.728
  pour cut-out: 129.143,54.052 129.143,50.72 130.351,50.72 130.351,54.052
  pour cut-out: 129.143,47.928 129.143,44.596 130.351,44.596 130.351,47.928
  pour cut-out: 129.143,63.128 129.143,59.796 130.351,59.796 130.351,63.128
  pour cut-out: 60.573,54.104 67.036,54.104 67.036,50.896 60.573,50.896
  pour cut-out: 127.143,9.454 138.501,9.454 138.501,7.773 127.143,7.773
  pour cut-out: 136.068,7.041 138.226,7.041 138.226,7.773 136.068,7.773
  pour cut-out: 114.619,9.454 125.977,9.454 125.977,7.773 114.619,7.773
  pour cut-out: 123.544,7.041 125.702,7.041 125.702,7.773 123.544,7.773
  pour cut-out: 102.096,9.454 113.454,9.454 113.454,7.773 102.096,7.773
  pour cut-out: 111.021,7.041 113.179,7.041 113.179,7.773 111.021,7.773
  pour cut-out: 98.498,7.041 100.656,7.041 100.656,7.773 98.498,7.773
  pour cut-out: 89.573,9.454 100.931,9.454 100.931,7.773 89.573,7.773
  pour cut-out: 52.837,40.754 52.837,47.037 54.545,47.037 54.545,40.754
  pour cut-out: 79.975,58.379 83.104,58.379 83.104,56.971 79.975,56.971
  pour cut-out: 89.57,50.45 95.967,50.45 95.967,44.105 89.57,44.105
  pour cut-out: 89.57,58.162 95.967,58.162 95.967,51.378 89.57,51.378
  pour cut-out: 119.942,25.204 126.75,25.204 126.75,22.283 119.943,22.283
  pour cut-out: 26.315,31.133 25.164,31.133 25.164,34.588 26.315,34.591
  pour cut-out: 25.161,6.867 26.312,6.867 26.312,3.412 25.161,3.409
  pour cut-out: 134.3,21.378 134.3,16.46 125.017,16.46 125.017,21.378
Bottom Layer:
  pour cut-out: 129.508,24.918 130.461,23.965 124.733,18.236 123.289,18.236 123.289,19.584 124.174,19.584
Int1 (GND) (plane layer: these items are gaps in the copper):
  lines w0.2: 36.325,48.95 36.325,48.95
Int2 (PWR) (plane layer: these items are gaps in the copper):
  lines w0.5: 0.009,60.324 14.8,60.324 16,60.324 27.85,60.324 27.85,58.675 ; 0.025,38.225 27.841,38.225 27.841,29.441 27.841,18.8 27.841,17.252 ; 53.394,38.225 66.171,38.225 70.429,33.966 70.429,24.957 75.728,24.957 79.025,21.66 79.025,17.252 ; 55.7,79.5 55.7,65.375 57.944,63.131 59.336,61.739 59.336,59.25 71.6,59.25 81.725,49.125 84.006,46.844 89.277,41.573 89.277,26.348 92.941,22.685 111.54,22.685 112.8,21.425 112.8,18.05 113.575,17.275 114.55,17.275 115.35,18.075 115.35,21.65 118.375,24.675 126.405,32.705 126.405,57.511 126.405,68.528 123.45,71.483 123.45,79.545 ; 56.4,49.925 58.323,49.925 ; 56.415,49.925 55.207,49.925 50.58,45.298 42.927,45.298 41.5,46.725 41.5,54 38.6,56.9 38.05,57.45 38.05,58.675 ; 60.25,59.25 48.5,59.25 47.925,58.675 38.05,58.675 ; 79.025,0 79.025,9.547 ; 89.266,26.36 85.54,26.36 84.425,27.475 84.425,39.675 74.175,49.925 72.2,49.925 65.337,49.925 65.287,49.925 58.323,49.925 ; 141.9,79.475 141.9,70.244 cw(c140.63,70.244) 140.63,68.974 137.67,68.974 ccw(c137.67,67.704) 136.4,67.704 136.4,65.544 ccw(c137.67,65.544) 137.67,64.274 140.63,64.274 cw(c140.63,63.004) 141.9,63.004 141.9,55.044 cw(c140.63,55.044) 140.63,53.774 137.67,53.774 ccw(c137.67,52.504) 136.4,52.504 136.4,50.344 ccw(c137.67,50.344) 137.67,49.074 140.63,49.074 cw(c140.63,47.804) 141.9,47.804 141.9,39.844 cw(c140.63,39.844) 140.63,38.574 137.67,38.574 ccw(c137.67,37.304) 136.4,37.304 136.4,35.144 ccw(c137.67,35.144) 137.67,33.874 140.63,33.874 cw(c140.63,32.604) 141.9,32.604 141.9,24.644 cw(c140.63,24.644) 140.63,23.374 137.67,23.374 ccw(c137.67,22.104) 136.4,22.104 136.4,19.944 ccw(c137.67,19.944) 137.67,18.674 140.63,18.674 cw(c140.63,17.404) 141.9,17.404 141.9,11.089 cw(c140.63,11.089) 140.63,9.819 96.606,9.819 89.172,17.253 81.952,17.252 79.025,17.252 ; 145.8,79.5 145.8,9.424 145.8,5.894 cw(c144.53,5.894) 144.53,4.624 106.075,4.624 98.075,4.624 93.426,4.624 88.503,9.547 82.947,9.547 79.025,9.547 ; 27.841,17.252 27.841,13.391 27.841,9.659 32.4,5.1 56.1,5.1 60.547,9.547 79.025,9.547 ; 27.841,17.252 79.025,17.252 ; 27.85,58.675 38.05,58.675 ; 27.85,58.675 27.85,38.225 40.618,38.225 57.653,38.225 57.653,43.228 58.323,43.898 58.323,47.581 58.323,49.925 ; 79.025,9.547 79.025,17.252

## Silkscreen, mask and mechanical layers (free items; w line width, h text height)
Top Overlay:
  drawing of 73 lines, arcs and shapes, not listed
  text "Reset" at 61.154,62.254 h1.52
Bottom Overlay:
  drawing of 258 lines, arcs and shapes, not listed
  text "+3V3_STLINK" at 37.9,66.533 h0.8
  text "Development Board" at 122.221,63.096 h1.5
  text "DESIGNED IN ARG" at 25.425,61.261 h1
  text "PRAXIS TEAM" at 25.4,56.125 h1.52
  text "CT" at 32.925,53.85 h0.8
  text "COLL DIEGO" at 25.4,53.725 h1.52
  text "MILLICAY SANTIAGO" at 25.4,51.324 h1.52
  text "+3V3_MCP1825" at 74.85,50.783 h0.8
  text "INSTITUTION" at 25.4,48.923 h1.52
  text "UTN - FRLR" at 25.4,46.522 h1.52
  text "ING. ELECTRÓNICA" at 25.4,44.019 h1.52
  text "+5V_SPI_F" at 69.9,41.933 h0.8
  text "LARTEC ING." at 25.4,41.718 h1.52
  text "INSPECTIONS" at 25.4,34.517 h1.52
  text "4" at 13.325,32.115 h1.52
  text "3" at 17.5,32.114 h1.52
  text "2" at 21.675,32.114 h1.52
  text "1" at 25.85,32.114 h1.52
  text "VDD" at 120.75,30.6 h0.8
  text "+5V_SPI" at 51.057,20.158 h0.8
  text "+12" at 16.975,17.775 h0.8
  text "+3V3_SPI" at 51.857,15.008 h0.8
  text "+3V3_SPI_F" at 130.4,7.183 h0.8
  text "GND" at 12.176,5.511 h0.8
  text "+12V_F" at 117.901,1.736 h0.8

## Text inside footprints (layer, text, board x,y; h text height)
C4: Top Overlay "+" at 38.778,13.86 h1.52; Mechanical 13 "+" at 38.778,13.86 h1.52
C5: Top Overlay "+" at 38.778,31.54 h1.52; Mechanical 13 "+" at 38.778,31.54 h1.52
C12: Top Overlay "+" at 2.09,36.144 h1.52; Mechanical 13 "+" at 2.09,36.144 h1.52
CON2: Top Overlay "4" at 133.8,68.937 h1 r270; Top Overlay "1" at 138,68.77 h1 r270
CON3: Top Overlay "4" at 133.8,53.737 h1 r270; Top Overlay "1" at 138,53.57 h1 r270
CON4: Top Overlay "4" at 133.8,38.537 h1 r270; Top Overlay "1" at 138,38.37 h1 r270
CON5: Top Overlay "1" at 138,23.17 h1 r270; Top Overlay "4" at 133.8,23.337 h1 r270
L1: Top Overlay "470" at 64.008,8.264 h1.52 r90; Mechanical 13 "470" at 64.008,8.264 h1.52 r90
L2: Top Overlay "470" at 62.484,29.736 h1.52 r270; Mechanical 13 "470" at 62.484,29.736 h1.52 r270
U9: Mechanical 13 "*" at 98.467,58.14 h1.27